# Altium PCB TEZ_Project.PcbDoc (part 1 of 2) (continued)
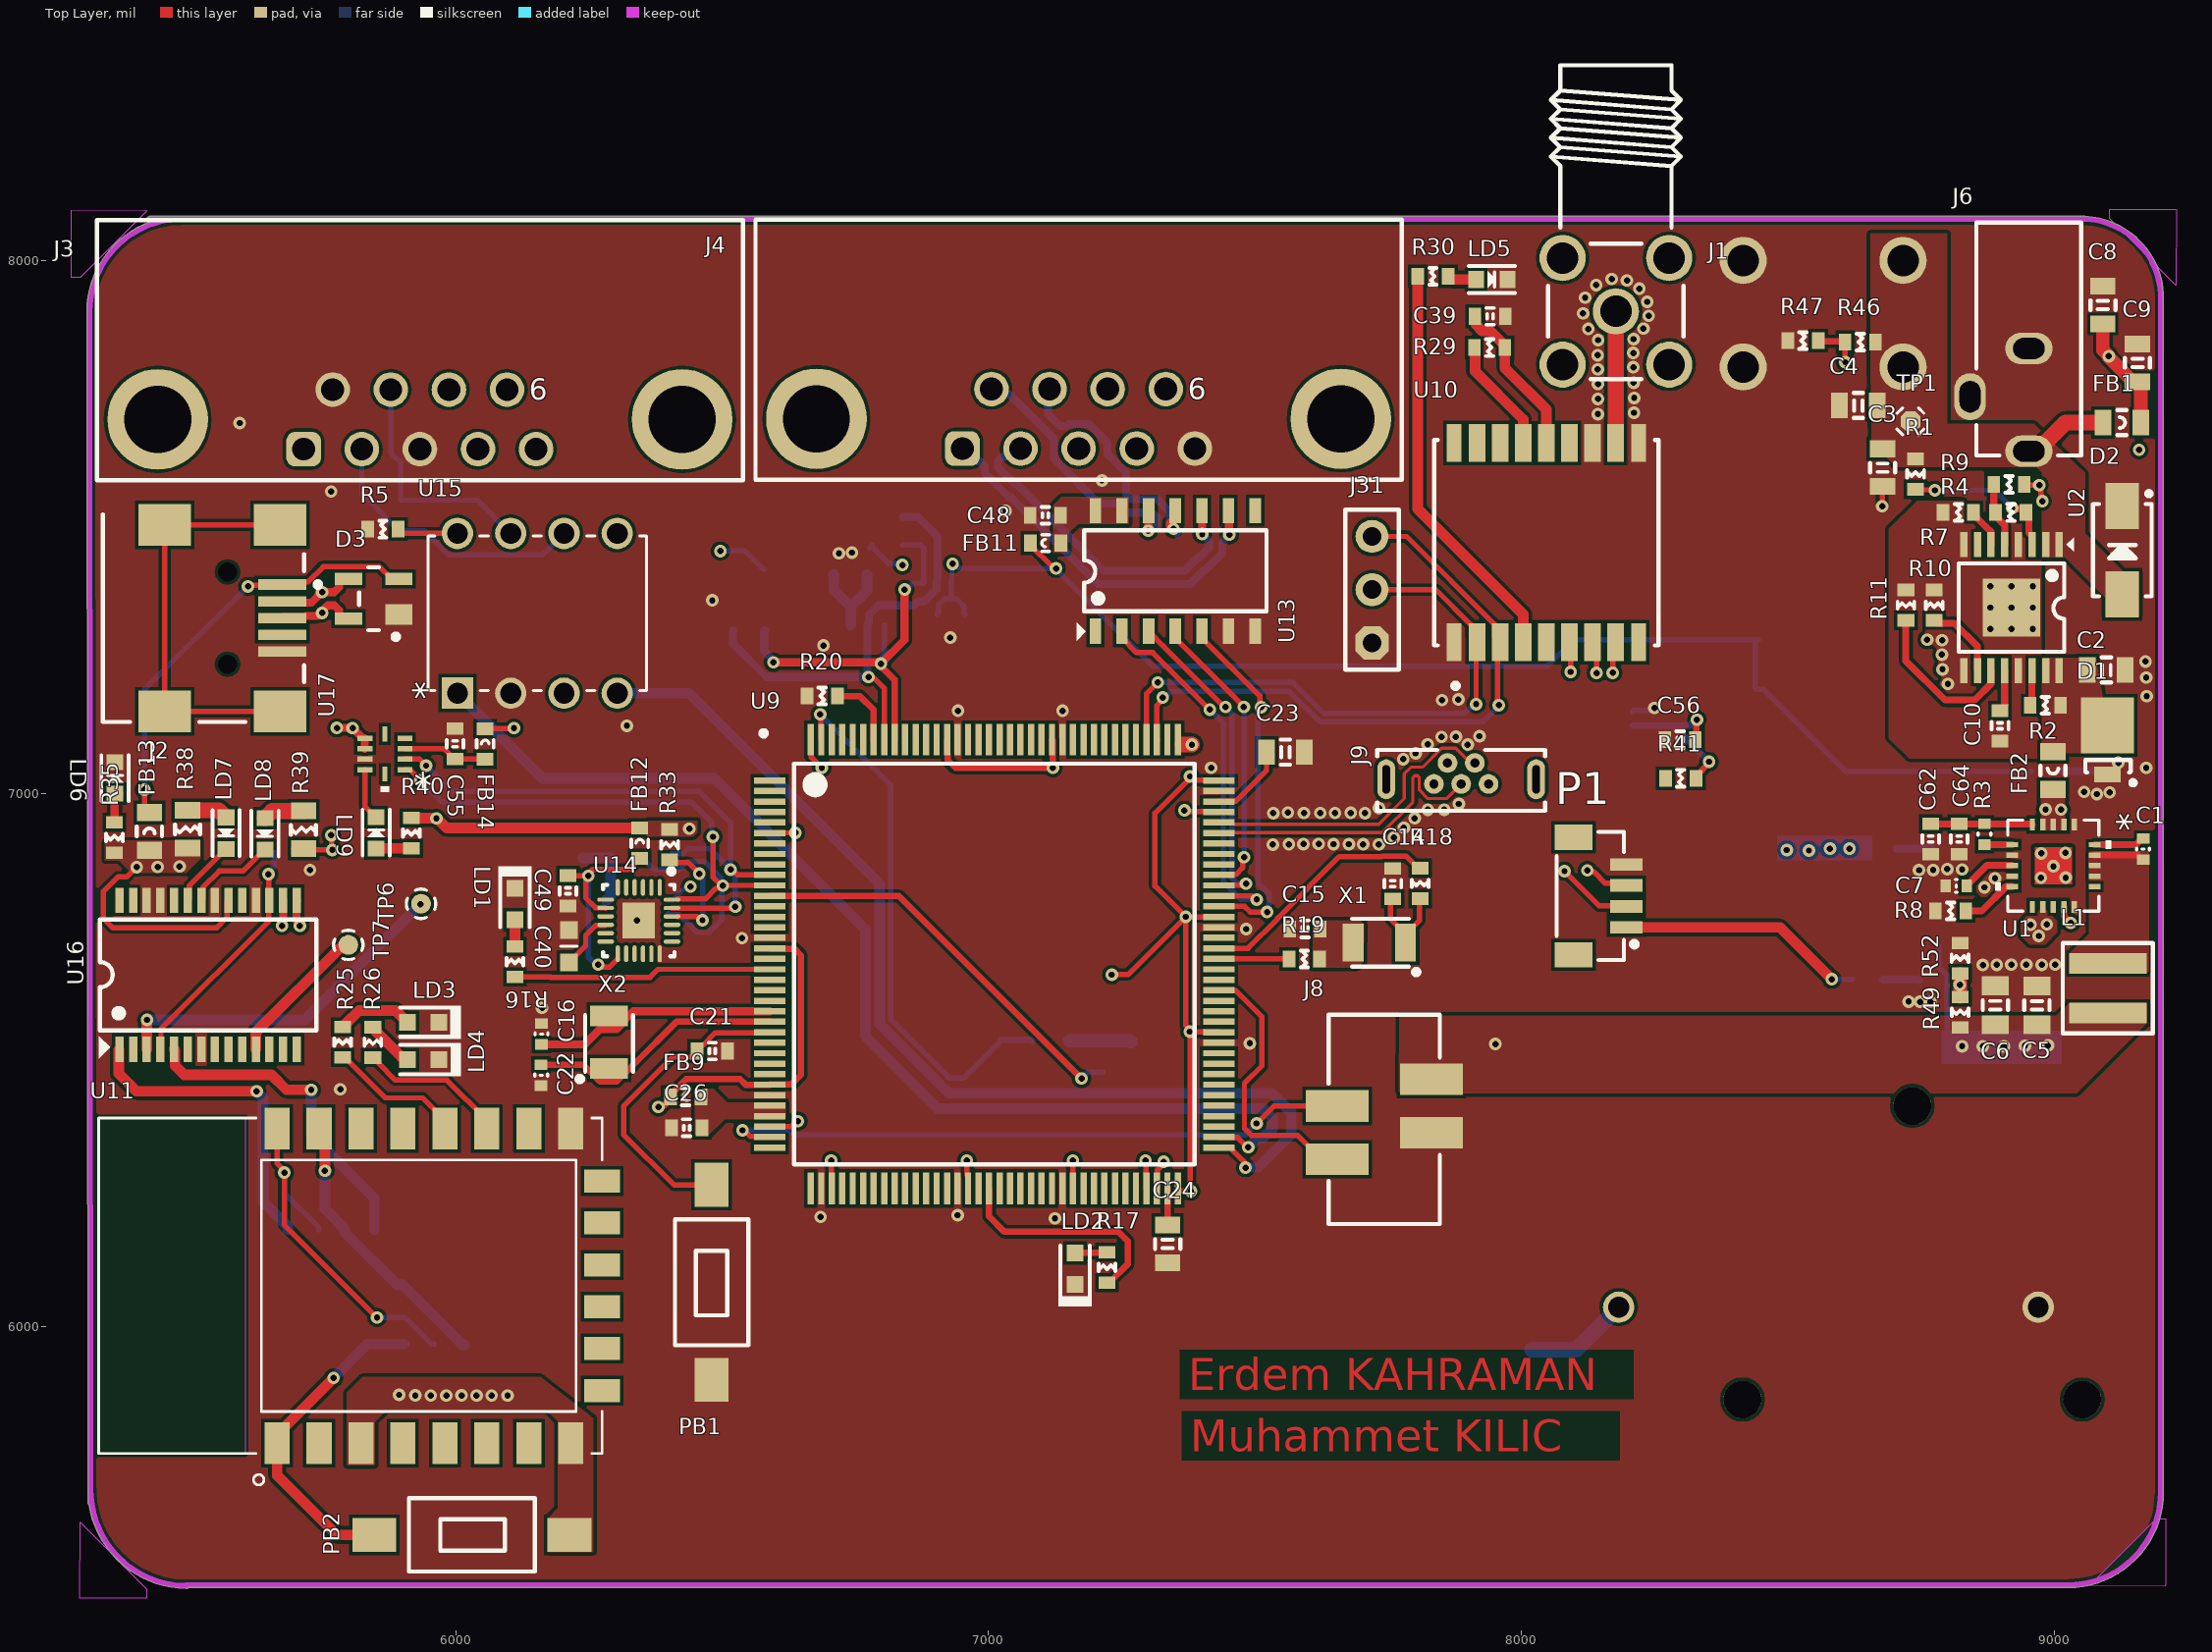
[diagram p0: Top Layer view]
## Footprints (in the part's own frame and the unit in brackets; to place one, negate y for a bottom-side part, rotate by r counter-clockwise, add the part's x,y. Pads: shape width x height; smd on the part's side, far side on the other; paste and mask are expansions set on the pad) (continued)
CAPC2012-0805X150N [mm] "Length 2.0mm; Width1.2mm; body H: 1.5mm"
  rect 0.9x1.3 smd mask+0.06: 1(-0.925,0) 2(0.925,0)
  silkscreen extent -0.23,-0.6 0.23,0.6, body extent -1,-0.6 1,0.6, height 1.5
CAPC3216-1206X100N [mm] "Length 3.2mm; Width1.6mm; H: 1mm"
  rect 1.2x1.7 smd mask+0.06: 1(-1.45,0) 2(1.45,0.003)
  silkscreen extent -0.5,-0.8 0.5,0.8, body extent -1.6,-0.8 1.6,0.8, height 1.01
DO-214AC [mm] "1 Amp Schottky  Rectifier  20 to 60 Volts"
  rect 2.2x1.6 smd: 1(2.1,0) 2(-2.1,0)
  silkscreen extent -2.79,-1.4 2.2,1.4, body extent -2.75,-1.4 2.75,1.4, height 2.6
"DO-220AA (SMP)" [mil] "Length 3.4mm; Width 2.03mm"
  rect 105.12x100 smd: 1(0,0)
  rect 30x50 smd: 2(92.56,0)
  silkscreen extent 65,-41 112,52, body extent -50,-45 105,46, height 45
FP-MAX-M8Q-0-MFG [mm]
  rect 1.8x0.7 smd paste-1000 mask-1000: 1(-4.75,4.4) 9(-4.75,-4.4) 10(4.75,-4.4) 18(4.75,4.4)
  rect 1.8x0.8 smd paste-1000 mask-1000: 2(-4.75,3.3) 3(-4.75,2.2) 4(-4.75,1.1) 5(-4.75,0) 6(-4.75,-1.1) 7(-4.75,-2.2) 8(-4.75,-3.3) 11(4.75,-3.3) 12(4.75,-2.2) 13(4.75,-1.1) 14(4.75,0) 15(4.75,1.1) 16(4.75,2.2) 17(4.75,3.3)
  silkscreen extent -6.95,-5.35 4.9,5.35, body extent -6.35,-5.45 6.35,5.45, height 0.25
HDR1X3M [mil]
  oct 62x62 hole 35: 1(0,0)
  round 62 hole 35: 2(100,0) 3(200,0)
  silkscreen extent -50,-50 250,50, body extent -50,-50 250,50, height 356
"HUBER-SUHNER_85 SMA-50-0-101/111 NE" [mm] "50 Ohm SMA Right Angle PCB Jack"
  round 2.2 hole 1.5: 1(0,0) 2(-2.54,-2.54) 3(-2.54,2.54) 4(2.54,2.54) 5(2.54,-2.54)
  silkscreen extent -3.23,-3.23 11.73,3.23, body extent -3.23,-3.23 11.73,3.23, height 9.6
INDC1608-0603X50N [mm] "Length 1.6mm; Width0.8mm; H:0.5mm"
  rect 0.6x0.8 smd mask+0.07: 1(-0.725,0) 2(0.725,0)
  silkscreen extent -0.18,-0.4 0.18,0.4, body extent -0.77,-0.42 0.78,0.43, height 0.45
INDC1608-0603X80N [mm] "Length 1.6mm; Width 0.8mm; H: 0.8mm"
  rect 0.6x0.8 smd mask+0.07: 1(-0.725,0) 2(0.725,0)
  silkscreen extent -0.18,-0.4 0.18,0.4, body extent -0.8,-0.4 0.8,0.4, height 0.81
INDC2012-0805X90N [mm] "Length 2.0mm; Width1.2mm; H:  0.9mm"
  rect 0.8x1.2 smd mask+0.08: 1(-0.9,0) 2(0.9,0)
  silkscreen extent -0.23,-0.6 0.22,0.6, body extent -1,-0.6 1,0.6, height 0.9
INSE-QFN-24-1700X1540TP_N [mm] "QFN, 24-Leads, Body 3.1x3.1mm, Pitch 0.40mm, Thermal Pad 1.54x1.70mm, IPC Medium Density"
  oval 0.8x0.2 smd: 1(-1.582,1) 2(-1.582,0.6) 3(-1.582,0.2) 4(-1.582,-0.2) 5(-1.582,-0.6) 6(-1.582,-1) 13(1.582,-1) 14(1.582,-0.6) 15(1.582,-0.2) 16(1.582,0.2) 17(1.582,0.6) 18(1.582,1)
  oval 0.2x0.8 smd: 7(-1,-1.582) 8(-0.6,-1.582) 9(-0.2,-1.582) 10(0.2,-1.582) 11(0.6,-1.582) 12(1,-1.582) 19(1,1.582) 20(0.6,1.582) 21(0.2,1.582) 22(-0.2,1.582) 23(-0.6,1.582) 24(-1,1.582)
  rect 1.7x1.54 smd: 25(0,0)
  silkscreen extent -2.47,-1.7 1.7,1.7, body extent -1.55,-1.55 1.55,1.55, height 1.05
LED0603-1608X55N-GREEN [mm] "Length 1.6mm; Width 0.8mm"
  rect 0.75x0.8 smd mask+0.07: 1(-0.75,0) 2(0.75,0)
  silkscreen extent -1.1,-0.65 1.1,0.65, body extent -0.81,-0.4 0.81,0.4, height 0.58
LED0603-1608X55N-RED [mm] "Length 1.6mm; Width 0.8mm"
  rect 0.75x0.8 smd mask+0.07: 1(-0.75,0) 2(0.75,0)
  silkscreen extent -1.1,-0.65 1.1,0.65, body extent -0.81,-0.4 0.81,0.4, height 0.58
LED_LTST-C190 [mm] "Lite-On"
  rect 0.8x0.8 smd: 1(-0.75,0) 2(0.75,0)
  silkscreen extent -1.1,-0.8 1.8,0.8, body extent -0.85,-0.45 0.85,0.45, height 0.9
max17633 [mil]
  rect 22x10 smd paste+0 mask+0: 1(-77.5,39.37) 2(-77.5,19.68) 3(-77.5,0) 4(-77.5,-19.68) 5(-77.5,-39.37) 11(77.5,-39.37) 12(77.5,-19.68) 13(77.5,0) 14(77.5,19.68) 15(77.5,39.37) 21(0,0)
  rect 10x22 smd paste+0 mask+0: 6(-39.37,-77.5) 7(-19.69,-77.5) 8(0,-77.5) 9(19.68,-77.5) 10(39.37,-77.5) 16(39.37,77.5) 17(19.68,77.5) 18(0,77.5) 19(-19.69,77.5) 20(-39.37,77.5)
  Top Layer region: -35,-35.01 35,-35.01 35,34.99 -35,34.99
  silkscreen extent -86,-108 86,108
PB_TYCO_FSMSM [mm]
  rect 2.1x1.6 smd: 1(-4.65,0) 2(4.65,0)
  silkscreen extent -3,-1.75 3,1.75, body extent -5,-1.75 5,1.75, height 4.3
PDIP8_300MC_MCH [mil]
  rect 59x59 hole 39 mask+0: 1(0,0)
  round 59 hole 39 mask+0: 2(0,-100) 3(0,-200) 4(0,-300) 5(300,-300) 6(300,-200) 7(300,-100) 8(300,0)
  silkscreen extent 5,-355 295,55, body extent -5,-350 315,50, height 215
PSON80P300X300X100-8N [mm]
  rrect25% 0.5x0.5 smd: 1(1.2,1.2) 2(1.2,0.4) 3(1.2,-0.4) 4(1.2,-1.2) 5(-1.2,-1.22) 6(-1.2,-0.4) 7(-1.2,0.4) 8(-1.2,1.2)
  silkscreen extent -1.53,-1.77 2.14,1.77
QFN10_2X2_SIL [mil]
  rect 28x10 smd paste+0 mask+0: 1(-37.5,29.53) 2(-37.5,9.84) 3(-37.5,-9.84) 4(-37.5,-29.53) 6(37.5,-29.53) 7(37.5,-9.84) 8(37.5,9.84) 9(37.5,29.53)
  rect 10x28 smd paste+0 mask+0: 5(0,-37.5) 10(0,37.5)
  silkscreen extent -8,62 7,72, body extent -39,-39 39,39, height 30
QFP50P2200X2200X160-144N [mm] "QFP, 144-Leads, Body 20x20mm (BSC), Pitch 0.50mm, IPC Medium Density"
  rect 1.5x0.3 smd: 1(-10.7,8.75) 2(-10.7,8.25) 3(-10.7,7.75) 4(-10.7,7.25) 5(-10.7,6.75) 6(-10.7,6.25) 7(-10.7,5.75) 8(-10.7,5.25) 9(-10.7,4.75) 10(-10.7,4.25) 11(-10.7,3.75) 12(-10.7,3.25) 13(-10.7,2.75) 14(-10.7,2.25) 15(-10.7,1.75) 16(-10.7,1.25) 17(-10.7,0.75) 18(-10.7,0.25) 19(-10.7,-0.25) 20(-10.7,-0.75) 21(-10.7,-1.25) 22(-10.7,-1.75) 23(-10.7,-2.25) 24(-10.7,-2.75) 25(-10.7,-3.25) 26(-10.7,-3.75) 27(-10.7,-4.25) 28(-10.7,-4.75) 29(-10.7,-5.25) 30(-10.7,-5.75) 31(-10.7,-6.25) 32(-10.7,-6.75) 33(-10.7,-7.25) 34(-10.7,-7.75) 35(-10.7,-8.25) 36(-10.7,-8.75) 73(10.7,-8.75) 74(10.7,-8.25) 75(10.7,-7.75) 76(10.7,-7.25) 77(10.7,-6.75) 78(10.7,-6.25) 79(10.7,-5.75) 80(10.7,-5.25) 81(10.7,-4.75) 82(10.7,-4.25) 83(10.7,-3.75) 84(10.7,-3.25) 85(10.7,-2.75) 86(10.7,-2.25) 87(10.7,-1.75) 88(10.7,-1.25) 89(10.7,-0.75) 90(10.7,-0.25) 91(10.7,0.25) 92(10.7,0.75) 93(10.7,1.25) 94(10.7,1.75) 95(10.7,2.25) 96(10.7,2.75) 97(10.7,3.25) 98(10.7,3.75) 99(10.7,4.25) 100(10.7,4.75) 101(10.7,5.25) 102(10.7,5.75) 103(10.7,6.25) 104(10.7,6.75) 105(10.7,7.25) 106(10.7,7.75) 107(10.7,8.25) 108(10.7,8.75)
  rect 0.3x1.5 smd: 37(-8.75,-10.7) 38(-8.25,-10.7) 39(-7.75,-10.7) 40(-7.25,-10.7) 41(-6.75,-10.7) 42(-6.25,-10.7) 43(-5.75,-10.7) 44(-5.25,-10.7) 45(-4.75,-10.7) 46(-4.25,-10.7) 47(-3.75,-10.7) 48(-3.25,-10.7) 49(-2.75,-10.7) 50(-2.25,-10.7) 51(-1.75,-10.7) 52(-1.25,-10.7) 53(-0.75,-10.7) 54(-0.25,-10.7) 55(0.25,-10.7) 56(0.75,-10.7) 57(1.25,-10.7) 58(1.75,-10.7) 59(2.25,-10.7) 60(2.75,-10.7) 61(3.25,-10.7) 62(3.75,-10.7) 63(4.25,-10.7) 64(4.75,-10.7) 65(5.25,-10.7) 66(5.75,-10.7) 67(6.25,-10.7) 68(6.75,-10.7) 69(7.25,-10.7) 70(7.75,-10.7) 71(8.25,-10.7) 72(8.75,-10.7) 109(8.75,10.7) 110(8.25,10.7) 111(7.75,10.7) 112(7.25,10.7) 113(6.75,10.7) 114(6.25,10.7) 115(5.75,10.7) 116(5.25,10.7) 117(4.75,10.7) 118(4.25,10.7) 119(3.75,10.7) 120(3.25,10.7) 121(2.75,10.7) 122(2.25,10.7) 123(1.75,10.7) 124(1.25,10.7) 125(0.75,10.7) 126(0.25,10.7) 127(-0.25,10.7) 128(-0.75,10.7) 129(-1.25,10.7) 130(-1.75,10.7) 131(-2.25,10.7) 132(-2.75,10.7) 133(-3.25,10.7) 134(-3.75,10.7) 135(-4.25,10.7) 136(-4.75,10.7) 137(-5.25,10.7) 138(-5.75,10.7) 139(-6.25,10.7) 140(-6.75,10.7) 141(-7.25,10.7) 142(-7.75,10.7) 143(-8.25,10.7) 144(-8.75,10.7)
  silkscreen extent -11.12,-9.55 9.55,11.13, body extent -11,-11 11,11, height 1.6
RESC1005-0402X35N [mm] "Length 1.0mm; Width0.5mm; H:0.35mm"
  rect 0.5x0.6 smd mask+0.06: 1(-0.5,0) 2(0.5,0)
  silkscreen extent -0.05,-0.3 0.05,0.3, body extent -0.5,-0.25 0.5,0.25, height 0.35
RESC1608-0603X50N [mm] "Length 1.6mm; Width0.8mm; H:0.5mm"
  rect 0.6x0.8 smd mask+0.07: 1(-0.725,0) 2(0.725,0)
  silkscreen extent -0.18,-0.4 0.18,0.4, body extent -0.77,-0.42 0.78,0.43, height 0.45
RESC2012-0805X50N [mm] "Length 2.0mm; Width1.2mm; H:0.5mm"
  rect 0.8x1.2 smd mask+0.08: 1(-0.9,0) 2(0.9,0)
  silkscreen extent -0.23,-0.6 0.22,0.6, body extent -1,-0.62 1,0.63, height 0.45
SMD-0603C [mm]
  rect 0.85x0.85 smd: 1(0,0.775) 2(0,-0.775)
  silkscreen extent -0.4,0 0.4,0, body extent -0.4,-0.8 0.4,0.8, height 0.9
SOIC127P600-14N [mm] "Small Outline; 14 Leads; Body Width 4 mm; Pitch 1.27 mm"
  rect 1.2x0.55 smd mask+0.07: 1(-2.875,3.812) 2(-2.875,2.542) 3(-2.875,1.272) 4(-2.875,0.002) 5(-2.875,-1.268) 6(-2.875,-2.538) 7(-2.875,-3.808) 8(2.875,-3.808) 9(2.875,-2.538) 10(2.875,-1.268) 11(2.875,0.002) 12(2.875,1.272) 13(2.875,2.542) 14(2.875,3.812)
  silkscreen extent -3.33,-4.35 1.93,4.7, body extent -3.1,-4.36 3.1,4.35, height 1.41
SON65P200X200X80-7N [mm]
  rect 0.66x0.32 smd: 1(-1.025,0.65) 2(-1.025,0) 3(-1.025,-0.65) 4(1.025,-0.65) 5(1.025,0) 6(1.025,0.65)
  rect 1x1.6 smd paste-2: 7(0,0)
  silkscreen extent -2.01,-1.13 1,1.13, body extent -1,-1 1,1, height 0.8
SON65P300X300X80-9N [mm]
  rrect25% 0.76x0.32 smd: 1(-1.485,0.975) 2(-1.485,0.325) 3(-1.485,-0.325) 4(-1.485,-0.975) 5(1.485,-0.975) 6(1.485,-0.325) 7(1.485,0.325) 8(1.485,0.975)
  rect 1.5x2.3 smd paste-2: 9(0,0)
  silkscreen extent -2.54,-1.55 1.55,1.55, body extent -1.5,-1.5 1.5,1.5, height 0.8
SOT65P210X110-5N [mm]
  rrect25% 1.19x0.4 smd: 1(-0.96,0.65) 2(-0.96,0) 3(-0.96,-0.65) 4(0.96,-0.65) 5(0.96,0.65)
  silkscreen extent -2.2,-1.17 0.63,1.17
SOT143N [mm]
  rect 1.3x1 smd: 1(-1.2,0.75)
  rect 1.3x0.6 smd: 2(-1.2,-0.95) 3(1.2,-0.95) 4(1.2,0.95)
  silkscreen extent -1.18,-1.5 0.7,1.93, body extent -1.25,-1.5 1.25,1.5, height 1.1
SSOP65P790-28N [mm] "SSOP; 28 Leads; Body Width 5.3 mm; Pitch 0.65 mm"
  rect 0.4x1.2 smd mask+0.07: 1(-4.225,-3.55) 2(-3.575,-3.55) 3(-2.925,-3.55) 4(-2.275,-3.55) 5(-1.625,-3.55) 6(-0.975,-3.55) 7(-0.325,-3.55) 8(0.325,-3.55) 9(0.975,-3.55) 10(1.625,-3.55) 11(2.275,-3.55) 12(2.925,-3.55) 13(3.575,-3.55) 14(4.225,-3.55) 15(4.225,3.55) 16(3.575,3.55) 17(2.925,3.55) 18(2.275,3.55) 19(1.625,3.55) 20(0.975,3.55) 21(0.325,3.55) 22(-0.325,3.55) 23(-0.975,3.55) 24(-1.625,3.55) 25(-2.275,3.55) 26(-2.925,3.55) 27(-3.575,3.55) 28(-4.225,3.55)
  silkscreen extent -5.21,-3.99 5.16,2.64, body extent -5.05,-3.9 5.11,3.9, height 2
TP-OCTAGONAL [mil] "test point"
  oct 37x37 smd mask+2.36: 1(0,0)
  silkscreen extent -25,-25 25,25
TP-ROUND [mil] "test point"
  round 37 smd mask+2.36: 1(0,0)
  silkscreen extent -27,-27 27,27
"TSSOP65P640-16N-2.74MM T.PAD" [mm] "Thyn Shrink Small Outline; 16 Leads; Body Width 6.4 mm; Pitch 0.65 mm"
  rect 1.2x0.35 smd mask+0.07: 1(-3,2.275) 2(-3,1.625) 3(-3,0.975) 4(-3,0.325) 5(-3,-0.325) 6(-3,-0.975) 7(-3,-1.625) 8(-3,-2.275) 9(3,-2.275) 10(3,-1.625) 11(3,-0.975) 12(3,-0.325) 13(3,0.325) 14(3,0.975) 15(3,1.625) 16(3,2.275)
  rect 2.74x2.74 smd mask+0.07: 17(0,0)
  silkscreen extent -3.34,-2.51 2.11,2.96, body extent -3.2,-2.5 3.2,2.5, height 1.11
USB/SM0.8-6H5 [mm] "Connector; USB2.0, Type B, SM; 5 Position; Right Angle"
  rect 2.3x0.5 smd: 1(-2.8,-1.6) 2(-2.8,-0.8) 3(-2.8,0) 4(-2.8,0.8) 5(-2.8,1.6)
  rect 2.5x2 smd: 6(-2.7,4.45) 7(2.8,4.45) 8(-2.7,-4.45) 9(2.8,-4.45)
  round 0.6 hole 0.9 unplated: MH1(-0.2,2.2) MH2(-0.2,-2.2)
  silkscreen extent -4.62,-4.95 5.75,4.95, body extent -3.43,-4.95 5.77,4.95, height 4.02
WE-MAIA_4030 [mm] "SMD Power Inductor, 2-leads, body 4.1x4.1mm"
  rect 0.98x3.7 smd: 1(-1.185,0) 2(1.185,0)
  silkscreen extent -2.15,-2.15 2.15,2.15, body extent -2.05,-2.05 2.05,2.05, height 3.1
XCVR_ESP8266-12E/ESP-12E [mm]
  rect 2x1.2 smd: 1(-7.5,7) 2(-7.5,5) 3(-7.5,3) 4(-7.5,1) 5(-7.5,-1) 6(-7.5,-3) 7(-7.5,-5) 8(-7.5,-7) 15(7.5,-7) 16(7.5,-5) 17(7.5,-3) 18(7.5,-1) 19(7.5,1) 20(7.5,3) 21(7.5,5) 22(7.5,7)
  rect 1.1x1.7 smd: 9(-5,-8.5) 10(-3,-8.5) 11(-1,-8.5) 12(1,-8.5) 13(3,-8.5) 14(5,-8.5)
  Keep-Out Layer region: 8,8.51 -8.009,8.51 -8.009,15.5 8,15.5
  Keep-Out Layer region: 8,8.51 -8.009,8.51 -8.009,15.5 8,15.5
  silkscreen extent -9.5,-8.5 8,15.5
XDCR_BMP280 [mm]
  rect 0.5x0.35 smd: 1(0.8,0.975) 2(0.8,0.325) 3(0.8,-0.325) 4(0.8,-0.975) 5(-0.8,-0.975) 6(-0.8,-0.325) 7(-0.8,0.325) 8(-0.8,0.975)
  silkscreen extent -1,-1.35 1.79,1.35

## Part data
BT1: "WA-BCPH Battery Holder, THT, Battery Type 2025/2032", Manufacturer="Wurth Elektronik", Operating Temperature="-40 to +105degC", Battery Type=2025/2032, ComponentLink1Description=Manufacturer, ComponentLink1URL=http://www.we-online.de, ComponentLink2Description=Datasheet, ComponentLink2URL=https://www.we-online.com/catalog/datasheet/79528211.pdf, Manufacturer Part Number=79528211, Mounting Technology=THT, Packaging=Tray, Published Date="July 2021"
C1: library part "CAP 0.1uF_0402", "CAP CER 0.1UF 16V X7R 0402", Manufacturer="Samsung Electro-Mechanics", MANUFACTURER PN=CC0402KRX7R7BB104, PACKAGE=0402, TOLERANCE=10%, VOLTAGE=16V, ANTSIS STOK PN=C0U14021016, ASSEMBLY=Auto, DIGIKEY PN=ANTSIS_STOK, POPULATED=YES
C2 C3 C8 C9: library part "Capacitor Ceramic", "CAP CER 1UF 50V X5R 0805", Manufacturer="Taiyo Yuden", MANUFACTURER PN=UMK212BJ105KG-T, PACKAGE=0805, TOLERANCE="-55°C ~ 125°C", VOLTAGE=50V, DIGIKEY PN=587-2229-1-ND, POPULATED=YES
C4: library part "Capacitor Ceramic", "CAP CER 0.1UF 100V X7R 0805", Manufacturer="Murata Electronics", MANUFACTURER PN=GCM21BR72A104KA37L, PACKAGE=0805, TOLERANCE="-55°C ~ 125°C", VOLTAGE=100V, DIGIKEY PN=490-4789-1-ND, POPULATED=YES
C5 C6: library part "CAP CER 22UF 0805 25V", "CAP CER 22UF 25V X5R 0805", Manufacturer="Murata Electronics", MANUFACTURER PN=GRT21BR61E226ME13L, PACKAGE=0805, TOLERANCE="-55°C ~ 85°C", VOLTAGE=25V, DIGIKEY PN=490-12389-1-ND, POPULATED=YES
C7: library part "CAP 10nF_0402", "CAP CER 5600PF 25V X7R 0402", Manufacturer="Murata Electronics", MANUFACTURER PN=GRM155R71E562KA01D, PACKAGE=0402, TOLERANCE=10%, VOLTAGE=25V, ANTSIS STOK PN=--, ASSEMBLY=Auto, DIGIKEY PN=ANTSIS_STOK, POPULATED=YES
C10: library part "Capacitor Ceramic", "CAP CER 0.022UF 16V X7R 0603", Manufacturer=Yageo, MANUFACTURER PN=CC0603KRX7R7BB223, PACKAGE=0805, TOLERANCE="-55°C ~ 125°C", VOLTAGE=16V, DIGIKEY PN=311-1800-1-ND, POPULATED=YES
C11 C13 C39 C42 C44 C45 C46 C47 C48 C49 C55: library part "CAP 0.1uF", "CAP CER 0.1UF 50V X7R 0603", Manufacturer="Samsung Electro-Mechanics", MANUFACTURER PN=CL10B104KB8NNNC, PACKAGE=0603, TOLERANCE=10%, VOLTAGE=50V, ANTSIS STOK PN=C0U106031050, ASSEMBLY=Auto, DIGIKEY PN=ANTSIS_STOK, POPULATED=YES
C12 C41 C43 C56 C62 C64: library part "CAP 1uF", "CAP CER 1UF 25V X7R 0603", Manufacturer="Samsung Electro-Mechanics", MANUFACTURER PN=CL10B105KA8NNNC, PACKAGE=0603, TOLERANCE=10%, VOLTAGE=25V, ANTSIS STOK PN=C1U006031050, ASSEMBLY=Auto, DIGIKEY PN=ANTSIS_STOK, POPULATED=YES
C14 C15: library part "Capacitor Ceramic", "CAP CER 2PF 50V NPO 0603", Manufacturer=Yageo, MANUFACTURER PN=CC0603BRNPO9BN2R0, PACKAGE=0603, TOLERANCE=±0.1%, VOLTAGE=50V, DIGIKEY PN=311-3827-1-ND, POPULATED=YES
C16 C22: library part "Capacitor Ceramic", "CAP CER 4.3PF 50V C0G/NPO 0402", Manufacturer=Yageo, MANUFACTURER PN=CC0402CRNPO9BN4R3, PACKAGE=0402, TOLERANCE=±0.25pF, VOLTAGE=50V, DIGIKEY PN=311-1632-1-ND, POPULATED=YES
C21 C26 C31 C32 C33 C34 C36 C51 C53: library part "Capacitor Ceramic", "CAP CER 0.1UF 25V X7R 0603", Manufacturer=Yageo, MANUFACTURER PN=CC0603KRX7R8BB104, PACKAGE=0603, TOLERANCE=±10%, VOLTAGE=25V, POPULATED=YES
  C21 C26 C31 C32 C33 C34 C36: DIGIKEY PN=1276-1000-2-ND(STOK)
  C51 C53: DIGIKEY PN=311-1341-1-ND
C23 C24: library part "Capacitor Ceramic", "CAP CER 2.2UF 16V X7R 0805", TOLERANCE=±10%, VOLTAGE=16V, DIGIKEY PN=1276-1162-1-ND, POPULATED=YES
C25: library part "Capacitor Ceramic", "CAP CER 1UF 25V X5R 0603", Manufacturer="Samsung Electro-Mechanics", MANUFACTURER PN=CL10A105KA8NNNC, PACKAGE=0603, TOLERANCE=±10%, VOLTAGE=25V, DIGIKEY PN=1276-1184-2-ND(STOK), POPULATED=YES
C35: library part "Capacitor Ceramic", "CAP CER 4.7UF 16V X5R 0603", Manufacturer=Yageo, MANUFACTURER PN=CC0603KRX5R7BB475, PACKAGE=0603, TOLERANCE=±10%, VOLTAGE=16V, DIGIKEY PN=311-1785-1-ND, POPULATED=YES
C37: library part GRT188R61E105KE13D, "CAP CER 1UF 25V X5R 0603", Digi-Key Part Number=490-12321-1-ND, Manufacturer="Murata Electronics North America", Operating Temperature="-55°C ~ 85°C", Package / Case="0603 (1608 Metric)", Ratings=AEC-Q200, Temperature Coefficient=X5R, TOLERANCE=±10%, VOLTAGE=25V, @ qty=0, Applications=Automotive, Datasheets=http://search.murata.co.jp/Ceramy/image/img/A01X/G101/ENG/GRT188R61E105KE13-01.pdf, Factory Stock=0, Features=-, Height - Seated (Max)=-, Image=//media.digikey.com/Renders/Murata%20Renders/0603%28LQG18%29.jpg, Lead Spacing=-, Lead Style=-, Minimum Quantity=1, Mounting Type="Surface Mount, MLCC", Packaging="Cut Tape (CT)", Part Number=GRT188R61E105KE13D, Part Status=Active, Quantity Available=3746, Series=GRT, Size / Dimension="0.063\" L x 0.031\" W (1.60mm x 0.80mm)", Thickness (Max)="0.035\" (0.90mm)", Unit Price (USD)=0.14
C38: library part GCJ188R71H104KA12D, "CAP CER 0.1UF 50V X7R 0603", Digi-Key Part Number=490-5798-1-ND, Manufacturer="Murata Electronics North America", Operating Temperature="-55°C ~ 125°C", Package / Case="0603 (1608 Metric)", Ratings=AEC-Q200, Temperature Coefficient=X7R, TOLERANCE=±10%, VOLTAGE=50V, @ qty=0, Applications="Automotive, Boardflex Sensitive", Datasheets=http://www.murata.com/~/media/webrenewal/support/library/catalog/products/capacitor/mlcc/c03e.ashx, Factory Stock=0, Features="Soft Termination", Height - Seated (Max)=-, Image=//media.digikey.com/Renders/Murata%20Renders/0603%28LQG18%29.jpg, Lead Spacing=-, Lead Style=-, Minimum Quantity=1, Mounting Type="Surface Mount, MLCC", Packaging="Cut Tape (CT)", Part Number=GCJ188R71H104KA12D, Part Status=Active, Quantity Available=163695, Series=GCJ, Size / Dimension="0.063\" L x 0.031\" W (1.60mm x 0.80mm)", Thickness (Max)="0.035\" (0.90mm)", Unit Price (USD)=0.12
C40: library part GCJ188R71C104KA01D, "CAP CER 0.1UF 16V X7R 0603", Digi-Key Part Number=490-5796-1-ND, Manufacturer="Murata Electronics North America", Operating Temperature="-55°C ~ 125°C", Package / Case="0603 (1608 Metric)", Ratings=AEC-Q200, Temperature Coefficient=X7R, TOLERANCE=±10%, VOLTAGE=16V, @ qty=0, Applications="Automotive, Boardflex Sensitive", Datasheets=http://www.murata.com/~/media/webrenewal/support/library/catalog/products/capacitor/mlcc/c03e.ashx, Factory Stock=0, Features="Soft Termination", Height - Seated (Max)=-, Image=//media.digikey.com/Renders/Murata%20Renders/0603%28LQG18%29.jpg, Lead Spacing=-, Lead Style=-, Minimum Quantity=1, Mounting Type="Surface Mount, MLCC", Packaging="Cut Tape (CT)", Part Number=GCJ188R71C104KA01D, Part Status=Active, Quantity Available=22473, Series=GCJ, Size / Dimension="0.063\" L x 0.031\" W (1.60mm x 0.80mm)", Thickness (Max)="0.035\" (0.90mm)", Unit Price (USD)=0.21
C52: library part "Capacitor Ceramic", "CAP CER 10UF 16V X7R 1206", Manufacturer="TDK Corporation", MANUFACTURER PN=C3216X7R1C106M160AC, PACKAGE=1206, TOLERANCE=%10, VOLTAGE=16V, DIGIKEY PN=445-1601-1-ND, POPULATED=YES
C54: library part "CAP 10uF", "CAP CER 10UF 10V X5R 0603", Manufacturer="Samsung Electro-Mechanics", MANUFACTURER PN=CL10A106MP8NNNC, PACKAGE=0603, TOLERANCE=20%, VOLTAGE=10V, ANTSIS STOK PN=C10U006032010, ASSEMBLY=Auto, DIGIKEY PN=ANTSIS_STOK, POPULATED=YES
D1: library part D-Vishay-SS3P3-E3/84A-Schottky, "DIODE SCHOTTKY 40V 3A DO220AA", Manufacturer="Vishay Semiconductor Diodes Division", MANUFACTURER PN=SS3P4-M3/84A, PACKAGE="DO-220AA (SMP)", TOLERANCE="-55°C ~ 150°C", VOLTAGE=40V, DIGIKEY PN=SS3P4-M3/84AGICT-ND, POPULATED=YES
D2: "TVS DIODE 33V 53.3V DO214AC", Manufacturer="ON Semiconductor", PACKAGE="DO-214AC, SMA", TOLERANCE="-65°C ~ 150°C (TJ)", DIGIKEY PN=SMAJ33CALFCT-ND, MANUFACTURER PN=SMAJ33CA, POPULATED=YES
D3: "30pF 30kV Unidirectional TVS Array, SP05 Series", Manufacturer=LittelFuse, PACKAGE=SOT143, VOLTAGE="up to : 30kV", DIGIKEY PN=F2715CT-ND, MANUFACTURER PN=SP0503BAHTG, POPULATED=YES, Price=www.littelfuse.com
FB1 FB2: library part "Inductor EMI suppresion", "FERRITE BEAD 220 OHM 0805 1LN", Manufacturer="Murata Electronics", MANUFACTURER PN=BLM21PG221SN1D, PACKAGE=0805, TOLERANCE="-55°C ~ 125°C", VOLTAGE=2A, DIGIKEY PN=490-1054-1-ND, POPULATED=YES
FB3 FB4 FB5 FB6 FB7 FB8 FB10 FB11 FB12 FB14: library part "FERRITE 60R 3A", "FERRITE BEAD 60 OHM 0603 1LN", Manufacturer="Würth Elektronik", MANUFACTURER PN=742792602, PACKAGE=0603, TOLERANCE="-55°C ~ 125°C", VOLTAGE=3A, ANTSIS STOK PN=F60R00603xx03, ASSEMBLY=Auto, DIGIKEY PN=ANTSIS_STOK, POPULATED=YES
FB9: library part "Inductor EMI suppresion", "FERRITE BEAD 22 OHM 0805 1LN", Manufacturer=Würth, MANUFACTURER PN=STOK, PACKAGE=0603, TOLERANCE="-55°C ~ 125°C", DIGIKEY PN=STOK, POPULATED=YES
FB13: library part "Inductor EMI suppresion", "FERRITE BEAD 22 OHM 0805 1LN", Manufacturer=Murata, MANUFACTURER PN=BLM21PG220SN1D, PACKAGE=0805, TOLERANCE="-55°C ~ 125°C", VOLTAGE=0.8A, DIGIKEY PN=490-5987-1-ND, POPULATED=YES
J2: "CONN MINI USB RCPT RA TYPE B SMD", Manufacturer=Amphenol, MANUFACTURER PN=10033526-N3212LF, TOLERANCE=1A, VOLTAGE=30V, DIGIKEY PN=609-4700-1-ND, POPULATED=YES, Price=0.71
J3 J4: "WR-DSUB 8.08mm Female PCB Connector with Hex Screw, Angled, 9p", Contact Resistance=30mOhm, Manufacturer="Wurth Elektronik", Operating Temperature="-55 to +105degC", Rated Current=3A, Withstanding Voltage=1000VAC, Working Voltage=125VAC, ComponentLink1Description=Manufacturer, ComponentLink1URL=http://www.we-online.de, ComponentLink2Description=Datasheet, ComponentLink2URL=https://www.we-online.com/catalog/datasheet/618009231121.pdf, Gender=Female, Manufacturer Part Number=618009231121, Mounting Technology=THT, Packaging=Tray, Pin Number=9, Published Date="April 2021", Type=Angled
J6: "WR-DC DC Power Jack Connector, Male, Right Angled, 30V, 2A", Manufacturer="Wurth Elektronik", Operating Temperature="-40 to +85degC", Rated Current=2A, Working Voltage=30V, ComponentLink1Description=Manufacturer, ComponentLink1URL=http://www.we-online.de, ComponentLink2Description=Datasheet, ComponentLink2URL=https://www.we-online.com/catalog/datasheet/694102303002.pdf, Gender=Male, Manufacturer Part Number=694102303002, Mounting Technology=THT, Opening Diameter=4.2mm, Orientation="Right Angled", Packaging=Bag, Plug Inner Diameter=1.05mm, Plug Outer Diameter=3.5mm, Published Date="March 2021"
J7: "WR-FAST THT Male Header Angled Blade, pitch 7.62mm, 2p", Contact Resistance=20mOhm, Operating Temperature="-30 to +120degC", Rated Current=16A, Working Voltage=300VAC, ComponentLink1Description=Manufacturer, ComponentLink1URL=http://www.we-online.de, ComponentLink2Description=Datasheet, ComponentLink2URL=https://katalog.we-online.com/em/datasheet/638363122002.pdf, Gender=Male, Mounting Technology=THT, Packaging=Box, Part Number=638363122002, Pin Number=2, Pitch=7.62mm, Published Date="November 2019", Publisher="Wurth Elektronik", Type="Right Angled"
J8: "WR-MM Mini Module Connector, Female, SMT, with Latch & Polarization, Straight, 4p", Contact Resistance=10mOhm, Insulation Resistance=1000MOhm, Manufacturer="Wurth Elektronik", Operating Temperature="-40 to +105degC", Rated Current=1.5A, Withstanding Voltage=500VAC, Working Voltage=250VAC, ComponentLink1Description=Manufacturer, ComponentLink1URL=http://www.we-online.de, ComponentLink2Description=Datasheet, ComponentLink2URL=https://www.we-online.com/catalog/datasheet/690367290476.pdf, Gender=Female, Length=9.68mm, Manufacturer Part Number=690367290476, Mounting Technology=SMT, Packaging="Tape and Reel", Pin Number=4, Pitch=2.54mm, Published Date="September 2021", Type=Straight
J9: library part 614105150721, "Mini USB 2.0 Type B, Receptacle, Vertical, THT", Manufacturer="Wurth Elektronik", Operating Temperature="-40 to +85degC", Rated Current=1.8A, Working Voltage=30VAC, Application="Mini USB 2.0", ComponentLink1Description=Manufacturer, ComponentLink1URL=http://www.we-online.de, ComponentLink2Description=Datasheet, ComponentLink2URL=https://katalog.we-online.com/em/datasheet/614105150721.pdf, Gender=Receptacle, Interface Type="Type B", Manufacturer Part Number=614105150721, Mounting Technology=THT, Packaging="Tape and Reel", Pin Number=5, Published Date="August 2020", Type=Vertical
L1: library part 78438357068, "WE-MAIA SMT Power Inductor, size 4030, 6.8uH, 3A, 74mOhm", DC Resistance max.=74mOhm, Manufacturer="Wurth Elektronik", Operating Temperature="-40 to +125degC", Rated Current=3A, Saturation Current=5.5A, Self Resonant Frequency=19.5MHz, Inductance=6.8uH, ComponentLink1Description=Manufacturer, ComponentLink1URL=http://www.we-online.de, ComponentLink2Description=Datasheet, ComponentLink2URL=https://www.we-online.com/catalog/datasheet/78438357068.pdf, Manufacturer Part Number=78438357068, Mounting Technology=SMT, Packaging="Tape and Reel", Published Date="September 2020", Size=4030
LD1 LD2 LD3 LD4: library part LTST-C190GKT, "LED, Green, SMD", DIGIKEY PN=160-1183-1-ND
LD5 LD9: "LED GREEN CLEAR CHIP SMD", Manufacturer="Lite-On Inc.", MANUFACTURER PN=LTST-C190GKT, PACKAGE=LED-0603, VOLTAGE=2.1V, ANTSIS STOK PN=LDGRN6032V1, ASSEMBLY=Auto, DIGIKEY PN=ANTSIS_STOK, POPULATED=YES
LD6 LD7 LD8: library part LED-0603, "LED RED CLEAR CHIP SMD", Manufacturer="Lite-On Inc", VOLTAGE=2V, DIGIKEY PN=160-1182-1-ND, MANUFACTURER PN=LTST-C190EKT, PACKAGE=LED-0603, POPULATED=YES
P1: "WR-WTB SMT Male Vertical Shrouded Header, pitch 1mm, 4p", Contact Resistance=20mOhm, Operating Temperature="-25 to +85degC", Rated Current=1A, Withstanding Voltage=500VAC, Working Voltage=50VAC, ComponentLink1Description=Manufacturer, ComponentLink1URL=http://www.we-online.de, ComponentLink2Description=Datasheet, ComponentLink2URL=https://www.we-online.com/catalog/datasheet/665304124022.pdf, Gender=Male, Mounting Technology=SMT, Packaging="Tape and Reel", Part Number=665304124022, Pin Number=4, Pitch=1mm, Published Date="January 2020", Publisher="Wurth Elektronik", Type=Vertical
PB1 PB2: library part PB_TYCO_FSMSM, "Push-Button Switch SPDT", Manufacturer="TYCO ELECTRONICS", Manufacturer Part Number="FSMSM or 1437566-3", Author="CERN DEM JLC", ComponentHeight=4.3mm, Component Type=Standard, CreateDate=30.6.2008, DIGIKEY PN=450-1140-ND, Family="Push Button", HelpURL=\\cern.ch\dfs\Applications\Altium\Datasheets\PB_TYCO_FSMSM.pdf, LatestRevisionDate=21.6.2012, Mounted=Yes, PackageDescription="Body 3.5x6.0mm, Pushbutton Switch,  TYCO ALCOSWITCH FSMSM Serie", Part Description="12VDC 50mA SPST Tactile  Push-Button Switch", Part Number=PB_TYCO_FSMSM, Pin Count=2, POPULATED=YES, SMD=Yes, Socket=No, Status=None, Table=Switches
R1: library part "Resistor SMD", "RES SMD 887K OHM 1% 1/10W 0603", Manufacturer="Vishay Dale", MANUFACTURER PN=CRCW0603887KFKEA, PACKAGE=0603, TOLERANCE="-55°C ~ 155°C", DIGIKEY PN=541-887KHCT-ND, POPULATED=YES
R2: library part "Resistor SMD", "RES SMD 12.1K OHM 1% 1/10W 0603", PACKAGE=0603, TOLERANCE="-55°C ~ 155°C", POPULATED=NO
R3: library part "RESISTOR 10K_0402", "RES SMD 10K OHM 1% 1/10W 0402", Manufacturer=Yageo, MANUFACTURER PN=RC0402FR-0710KL, PACKAGE=0402, TOLERANCE=5%, ANTSIS STOK PN=R10K0040205006, ASSEMBLY=Auto, DIGIKEY PN=ANTSIS_STOK, POPULATED=YES
R4: library part "Resistor SMD", "RES SMD 90.9K OHM 1% 1/10W 0603", Manufacturer="Vishay Dale", MANUFACTURER PN=CRCW060390K9FKEA, PACKAGE=0603, TOLERANCE="-55°C ~ 155°C", DIGIKEY PN=541-90.9KHCT-ND, POPULATED=YES
R5 R23 R24 R27 R28 R46 R47: library part "RESISTOR 10K", "RES SMD 10K OHM 1% 1/10W 0603", Manufacturer=Yageo, MANUFACTURER PN=RC0603FR-0710KL, PACKAGE=0603, ANTSIS STOK PN=R10K006030101, ASSEMBLY=Auto, DIGIKEY PN=ANTSIS_STOK, POPULATED=YES
R6: library part "RESISTOR 0R", "RES SMD 0 OHM JUMPER 1/10W 0603", Manufacturer=Yageo, MANUFACTURER PN=RC0603FR-070RL, PACKAGE=0603, ANTSIS STOK PN=R0R00603XX01, ASSEMBLY=Auto, DIGIKEY PN=ANTSIS_STOK, POPULATED=YES
R7: library part "Resistor SMD", "RES SMD 0 OHM JUMPER 1/10W 0603", Manufacturer=Yageo, MANUFACTURER PN=RC0603JR-070RL, PACKAGE=0603, TOLERANCE="-55°C ~ 155°C", DIGIKEY PN=311-0.0GRCT-ND, POPULATED=YES
R8: library part "RESISTOR 0R", "RES SMD 0 OHM JUMPER 1/10W 0603", Manufacturer=Yageo, MANUFACTURER PN=RT0603DRD0710KL, PACKAGE=0603, ANTSIS STOK PN=--, ASSEMBLY=Auto, DIGIKEY PN=311-10KDDKR-ND, POPULATED=YES
R9: library part "Resistor SMD", "RES SMD 30.1K OHM 1% 1/10W 0603", Manufacturer="Vishay Dale", MANUFACTURER PN=CRCW060330K1FKEA, PACKAGE=0603, TOLERANCE="-55°C ~ 155°C", DIGIKEY PN=541-30.1KHCT-ND, POPULATED=YES
R10: library part "Resistor SMD", "RES SMD 20K OHM 1% 1/10W 0603", Manufacturer="Vishay Dale", MANUFACTURER PN=CRCW060320K0FKEAC, PACKAGE=0603, TOLERANCE="-55°C ~ 155°C", DIGIKEY PN=541-3987-1-ND, POPULATED=NO
R11: library part "Resistor SMD", "RES SMD 8.06 OHM 1% 1/10W 0603", Manufacturer="Vishay Dale", MANUFACTURER PN=CRCW06038R06FKEA, PACKAGE=0603, TOLERANCE="-55°C ~ 155°C", DIGIKEY PN=541-8.06HHCT-ND, POPULATED=YES
R13 R14 R18 R19 R21 R22 R36 R37: library part "Resistor SMD", "RES SMD 0 OHM JUMPER 1/10W 0603", Manufacturer=Yageo, MANUFACTURER PN=RC0603JR-070RL, PACKAGE=0603, TOLERANCE=±1%
  R13 R14 R22: DIGIKEY PN=311-0.0HRTR-ND(STOK), POPULATED=NO
  R18 R19 R21: DIGIKEY PN=311-0.0HRTR-ND(STOK), POPULATED=YES
  R36 R37: DIGIKEY PN=311-0.0GRCT-ND, POPULATED=YES
R15: library part "Resistor SMD", "RES SMD 100K OHM 1% 1/10W 0603", Manufacturer="Panasonic Electronic Components", MANUFACTURER PN=ERJ-3EKF1003V, PACKAGE=0603, TOLERANCE=1%, DIGIKEY PN=P100KHCT-ND, POPULATED=YES
R16 R17 R25 R26: library part "Resistor SMD", "RES SMD 1K OHM 1% 1/10W 0603", Manufacturer="Panasonic Electronic Components", MANUFACTURER PN=ERJ-3EKF1001V, PACKAGE=0603, TOLERANCE=1%, DIGIKEY PN=311-1.00KHRTR-ND(STOK), POPULATED=YES
R20: library part "Resistor SMD", "RES SMD 10K OHM 1% 1/10W 0603", Manufacturer=Yageo, MANUFACTURER PN=RC0603FR-0710KL, PACKAGE=0603, TOLERANCE=±1%, DIGIKEY PN=311-10.0KHRTR-ND(STOK), POPULATED=YES
R29: library part "RESISTOR 10K", "RES SMD 10 OHM 1% 1/10W 0603", Manufacturer=Yageo, MANUFACTURER PN=RC0603FR-0710KL, PACKAGE=0603, ANTSIS STOK PN=R10K006030101, ASSEMBLY=Auto, DIGIKEY PN=ANTSIS_STOK, POPULATED=YES
R30 R31 R32 R33 R41: library part "RESISTOR 1K", "RES SMD 1K OHM 1% 1/10W 0603", Manufacturer=Yageo, MANUFACTURER PN=RC0603FR-071KL, PACKAGE=0603, ANTSIS STOK PN=R1K006030101, ASSEMBLY=Auto, DIGIKEY PN=ANTSIS_STOK, POPULATED=YES
R35: library part "Resistor SMD", "RES SMD 220 OHM 5% 1/10W 0603", Manufacturer=Yageo, MANUFACTURER PN=RC0603JR-07220RL, PACKAGE=0603, TOLERANCE=%1, DIGIKEY PN=311-220GRCT-ND, POPULATED=YES
R38 R39: library part "Resistor SMD", "RES SMD 768 OHM 1% 1/8W 0805", Manufacturer=YAGEO, MANUFACTURER PN=RC0805FR-07768RL, PACKAGE=0805, TOLERANCE=±1%, VOLTAGE="0.125W, 1/8W", DIGIKEY PN=311-768CRCT-ND, POPULATED=YES, Price=0.1
R40: library part "RESISTOR 22R", "RES 22 OHM 5% 1/10W 0603", Manufacturer="Stackpole Electronics Inc", MANUFACTURER PN=RMCF0603JT22R0, PACKAGE=0603, TOLERANCE=5%, ANTSIS STOK PN=R22R006030501, ASSEMBLY=Auto, DIGIKEY PN=ANTSIS_STOK, POPULATED=YES
R49: library part "RESISTOR 143K", "RES SMD 133K OHM 1% 1/4W 0603", Manufacturer="Vishay Dale", MANUFACTURER PN=RCS0603133KFKEA, PACKAGE=0603, TOLERANCE=1%, ANTSIS STOK PN=--, ASSEMBLY=Auto, DIGIKEY PN=541-RCS0603133KFKEADKR-ND, POPULATED=YES
R52: library part "RESISTOR 143K", "RES 38.3K OHM 1% 1/10W 0603", Manufacturer="Stackpole Electronics Inc", MANUFACTURER PN=RMCF0603FT38K3, PACKAGE=0603, TOLERANCE=1%, ANTSIS STOK PN=--, ASSEMBLY=Auto, DIGIKEY PN=RMCF0603FT38K3CT-ND, POPULATED=YES
TP1 TP3 TP4 TP5 TP6 TP7: "Test point"
  TP1 TP3 TP4 TP5: ASSEMBLY=Manuel
  TP6 TP7: Assembly Method=Manual, POPULATED=YES
U1: library part MAX17633CATP+, "IC REG BUCK ADJ 4.25A", Mfr_Name="Maxim Integrated Products", Copyright="Copyright (C) 2021 Ultra Librarian. All rights reserved.", Digi-Key_Part_Number_1=MAX17633CATP+-ND, Manufacturer_Part_Number=MAX17633CATP+, Type=DEV
U2: library part TPS26600, "IC PWR MGMT EFUSE 60V 16HTSSOP", Manufacturer="Texas Instruments", PACKAGE=HTTSOP-16, TOLERANCE="-40°C ~ 125°C (TJ)", DIGIKEY PN=296-47292-1-ND, MANUFACTURER PN=TPS26600PWPR, POPULATED=YES
U3 U4 U5: "No Description Available", Mfr_Name="Texas Instruments", Copyright="Copyright (C) 2021 Ultra Librarian. All rights reserved.", Digi-Key_Part_Number_1=296-TLV76733DRVTTR-ND, Digi-Key_Part_Number_2=296-TLV76733DRVTCT-ND, Digi-Key_Part_Number_3=296-TLV76733DRVTDKR-ND, Manufacturer_Part_Number=TLV76733DRVT, RefDes=RefDes, Type=DEV
U6: "Gas, Humidity, Pressure, Temperature Sensor IÂ²C, SPI Output", PACKAGE="LGA-8 Bosch Tools", Availability=Unavailable, MF="Bosch Sensortec", MP=BME680, Price=None, SnapEDA_Link=https://www.snapeda.com/parts/BME680/Bosch%20Sensortec/view-part/947201/?ref=snap
U7: "Pressure Sensor 4.35PSI ~ 15.95PSI _30kPa ~ 110kPa_ Absolute 16b 8-SMD", PACKAGE="SMD-8 Bosch Sensortec", Digi-Key_Part_Number=828-1064-1-ND, Digi-Key_Purchase_URL=https://www.digikey.com/product-detail/en/bosch-sensortec/BMP280/828-1064-1-ND/6136315?utm_source=snapeda&utm_medium=aggregator&utm_campaign=symbol, MF=Bosch, MP=BMP280, SnapEDA_Link=https://www.snapeda.com/parts/BMP280/Bosch%20Sensortec/view-part/1186631/?ref=snap
U8: "Pressure Sensor 4.35PSI ~ 15.95PSI _30kPa ~ 110kPa_ Absolute 16 ~ 19 b 7-VLGA", PACKAGE="VLGA-7 Bosch Sensortec", Digi-Key_Part_Number=828-1027-1-ND, Digi-Key_Purchase_URL=https://www.digikey.com/product-detail/en/bosch-sensortec/BMP180/828-1027-1-ND/2688260?utm_source=snapeda&utm_medium=aggregator&utm_campaign=symbol, MF="Bosch Sensortec", MP=BMP180, SnapEDA_Link=https://www.snapeda.com/parts/BMP180/Bosch%20Sensortec/view-part/587596/?ref=snap
U9: Manufacturer=STMicroelectronics, MANUFACTURER PN=STM32F429ZIT6, VOLTAGE="1.8V - 3.6V", DIGIKEY PN=497-14053-ND, PAPULATED=YES
U10: library part CMP-207130-000017-1, "RF RCVR GNSS/GPS 1.575GHZ 18LCC", Case/Package=SMD/SMT, Current - Receiving=23mA, Frequency=1.575GHz, Max Operating Temperature=85°C, Min Operating Temperature=-40°C, Interface=I2C, Packaging="Cut Tape", RoHS Compliant=Yes, Sensitivity=-167dBm
U11: "This WiFi module has a 32-bit MCU micro and clock speeds supporting 80 MHz or 160 MHz. Supports the RTOS and integrated Wi-Fi MAC/BB/RF/PA/LNA, and has an on-board antenna.", PACKAGE=None, Availability=Unavailable, MF=AI-Thinker, MP=ESP8266-12E/ESP-12E, Price=None, SnapEDA_Link=https://www.snapeda.com/parts/ESP8266-12E/ESP-12E/AI-Thinker/view-part/106414/?ref=snap
U12: "No Description Available", Mfr_Name="Maxim Integrated Products", Copyright="Copyright (C) 2021 Ultra Librarian. All rights reserved.", Digi-Key_Part_Number_1=MAX31725MTA+-ND, Manufacturer_Part_Number=MAX31725MTA+, RefDes=RefDes, Type=DEV
U13: "1/1 Transceiver Full RS422, RS485 14-SOIC", Manufacturer="Analog Devices Inc.", MANUFACTURER PN=ADM3491ARZ-REEL7, PACKAGE=14SOIC, TOLERANCE="-40°C ~ 85°C", VOLTAGE="3V ~ 3.6V", ASSEMBLY=Manuel, DIGIKEY PN=ADM3491ARZ-REEL7CT-ND, POPULATED=YES
U14: library part CMP-2100-03657-1, "9-axis MotionTracking device, 2.4 to 3,6 V, -40 to 85 degC, 24-Pin QFN, RoHS, Tape and Reel", Case/Package=QFN, Manufacturer=InvenSense, Max Operating Temperature=85degC, Max Supply Voltage=3.6V, Min Operating Temperature=-40degC, Min Supply Voltage=2.4V, Package Description="24-Pin Quad Flat No-lead Package, Body 3 x 3 mm, Pitch 0.4 mm", Package Quantity=1, Package Reference=QFN-24, Datasheet URL=http://datasheet.octopart.com/MPU-9250-InvenSense-datasheet-21859386.pdf, Datasheet Version="Rev. 1.0, 01/2014", Height=1mm, Length=3.1mm, Manufacturer URL=http://www.invensense.com/, Mount=SurfaceMount, RoHSCompliant=true, Width=3.1mm
U15: "No Description Available", Mfr_Name=Microchip, Copyright="Copyright (C) 2021 Ultra Librarian. All rights reserved.", Manufacturer_Part_Number=MCP2551-I/P, RefDes=RefDes, Type=DEV
U16: "USB FS SERIAL UART", Manufacturer=FTDI, Package Type=SSOP-28, TOLERANCE="-40 to +85C", VOLTAGE="+3.3V to +5.25V", Assembly Method=Auto, Datasheet Link=www.ftdichip.com/Support/Documents/DataSheets/ICs/DS_FT232R.pdf, DIGIKEY PN=768-1306-ND, MANUFACTURER PN=FT232RL, POPULATED=YES
U17: "No Description Available", Mfr_Name="Silicon Labs", Copyright="Copyright (C) 2021 Ultra Librarian. All rights reserved.", Digi-Key_Part_Number_1=336-2622-1-ND, Digi-Key_Part_Number_2=336-2622-2-ND, Digi-Key_Part_Number_3=336-2622-6-ND, Manufacturer_Part_Number=SI1145-A10-GMR, RefDes=RefDes, Type=DEV
U18: "2C 2.7V to 5.5V analog output temperature sensor with -13.6 mV/C gain 5-SC70 -50 to 150", PACKAGE="SOT-SC70-5 Texas Instruments", Availability=Good, MF="Texas Instruments", MP=LMT87DCKT, Price=None, Purchase-URL=https://pricing.snapeda.com/search/part/LMT87DCKT/?ref=eda, SnapEDA_Link=https://www.snapeda.com/parts/LMT87DCKT/Texas%20Instruments/view-part/2598127/?ref=snap
X1: library part CRYSTAL_32K, "32.768kHz  Crystal 6pF 70 kOhms 2-SMD, No Lead", Manufacturer="NDK America, Inc.", MANUFACTURER PN=NX3215SA-32.768KHZ-EXS00A-MU00525, PACKAGE=2-SMD, TOLERANCE="6pF, 70 kOhms", VOLTAGE="-40°C ~ 85°C", DIGIKEY PN=644-1386-1-ND, POPULATED=YES, Price=0.68
X2: library part CRYSTAL_32K, "CRYSTAL 8MHZ 8PF SMD", Manufacturer="NDK America, Inc.", MANUFACTURER PN=NX3225GD-8MHZ-EXS00A-CG04874, PACKAGE=2-SMD, TOLERANCE="6pF, 70 kOhms", VOLTAGE="-40°C ~ 150°C", DIGIKEY PN=644-1391-1-ND, POPULATED=YES, Price=0.68
J1 J31: ASSEMBLY=Manuel, POPULATED=YES

## Via types
v1: diameter 23.62, hole 11.81, Top Layer to Bottom Layer, tented both sides, 243 vias

## Nets (pads, with @x,y where several pads share a name; then routed paths per layer and width w, separated by ;. In a path a pad name is that pad's centre, name@x,y a point inside that pad or via, vN(x,y) a via of type N, cw(c..) or ccw(c..) an arc to the next point about the centre after c; other vN are vias at no path point)
3V3_A: C37.1 C38.1 C42.2 C44.2 C45.2 C46.2 C54.1 FB6.2 FB10.2 FB11.2 FB12.2 FB14.2 R23.1 R24.1 R31.2 R32.2 R33.2 R40.2 TP4.1 U6.2 U6.6 U6.8 U7.2 U7.6 U7.8 U8.2 U8.3 U10.7 U10.8 U17.6 U17.7 U18.1 U18.4 U18.5 | length 4786.1
  Top Layer w10: R40.2@5916.82,6954.49 R40.2@5918.34,6956 ; FB14.2@6055.41,7121.83 6055.96,7122.38 6108.93,7122.38 v1(6109.48,7122.94) ; FB11.2@7078.77,7470.31 7078.77,7466.37 7119.8,7425.34 7124.17,7425.34 v1(7126.77,7422.74) ; U10.7@8133.52,7284.08 8141.16,7276.44 v1(8141.16,7226.56) ; v1(8171.66,7226.95) 8171.66,7278.91 U10.8@8176.83,7284.08
  Top Layer w15: v1(5777.16,7123.3) 5777.29,7123.18 5806.54,7123.18 v1(5806.66,7123.06) 5825.73,7103.99 U17.6@5829.73,7103.99 U17.7@5829.73,7084.3
  Top Layer w20: R40.2@5918.34,6956 5920.32,6954.02 5963.39,6954.02 v1(5963.86,6953.56) 5964.84,6953.56 5982.97,6935.43 FB12.2@6345.61,6935.43
  GND w10: v1(5806.66,7123.06) v1@5806.72,7123 ; v1@5953.31,6956.16 5961.25,6956.16 v1(5963.86,6953.56) ; v1@6109.42,7123 v1(6109.48,7122.94) ; v1(6438.56,6934.19) 6438.56,7397.21 v1(6496.75,7455.4) ; v1(6838.34,7429.1) 6839.45,7430.21 6931.54,7430.21 v1(6932.65,7431.32)
  GND w20: v1(5777.16,7123.3) 5777.29,7123.18 5805.4,7123.18 5805.97,7123.75 v1(5806.66,7123.06) 5806.66,7102.81 5879.65,7029.82 v1@5953.31,6956.16 ; v1@5806.72,7123 v1@6109.42,7123
  Bottom Layer w10: v1(6496.75,7455.4) 6543.3,7455.4 6577.65,7421.06 U8.2@6579.61,7421.06 ; R24.1@6777.02,7461.68 R24.1@6781.75,7466.41 6781.75,7462.47 6812.31,7431.91 6817.34,7431.91 6817.54,7431.7 6835.74,7431.7 v1(6838.34,7429.1) ; U7.6@6904.5,7336.86 6905.79,7338.16 6905.79,7353.51 6917.35,7365.07 6933.5,7365.07 ; U7.8@6955.68,7336.86 6953.79,7338.75 6953.79,7352.28 6940.99,7365.07 6933.5,7365.07 ; FB6.2@8957.35,7041.6 8608.84,7041.6 8454.83,7195.6 TP4.1@8438.97,7195.6 8438.97,7283.11 C46.2@8444.6,7288.73 8385,7288.73 8327.83,7288.73 8270.55,7288.73 8211.49,7288.73 8150.29,7288.73 8098.7,7288.73 C38.1@8093.11,7283.14 8049.3,7239.33 7308.3,7239.33 7299.17,7248.46 7126.77,7420.86 v1(7126.77,7422.74) 7041.55,7422.74 7041.41,7422.88 6944.78,7422.88 6936.34,7431.32 v1(6932.65,7431.32) 6931.37,7430.04 6931.37,7401.14 U7.2@6930.09,7399.85 6930.09,7368.49 6933.5,7365.07
  Bottom Layer w20: U6.8@6709.75,7411.72 U6.8@6709.1,7411.07 6709.75,7410.42 6709.75,7382.2 6741.25,7350.7 ; U6.2@6741.25,7316.79 6741.25,7350.7 ; U6.6@6772.1,7411.07 6772.1,7381.55 6741.25,7350.7
3V3_B: C11.2 C36.2 FB4.2 PB2.2 R27.1 R28.1 TP3.1 U11.3 U11.8 | length 31.8
  Bottom Layer w10: v1(8615.95,6896.77) 8646.87,6896.77 FB4.2@8647.47,6896.17
  other v1: 5924.25,5870.38 5953.39,5870.07 5982.52,5870.08 6011.02,5870.38 6039.21,5870.07 6067.72,5870.07 6097.48,5870.07 5893.85,5871.34 8539.93,6893.19 8498.3,6894.15 8579.29,6896.73